# KiCad board hvd-68-vhdci-panel.kicad_pcb (continued)
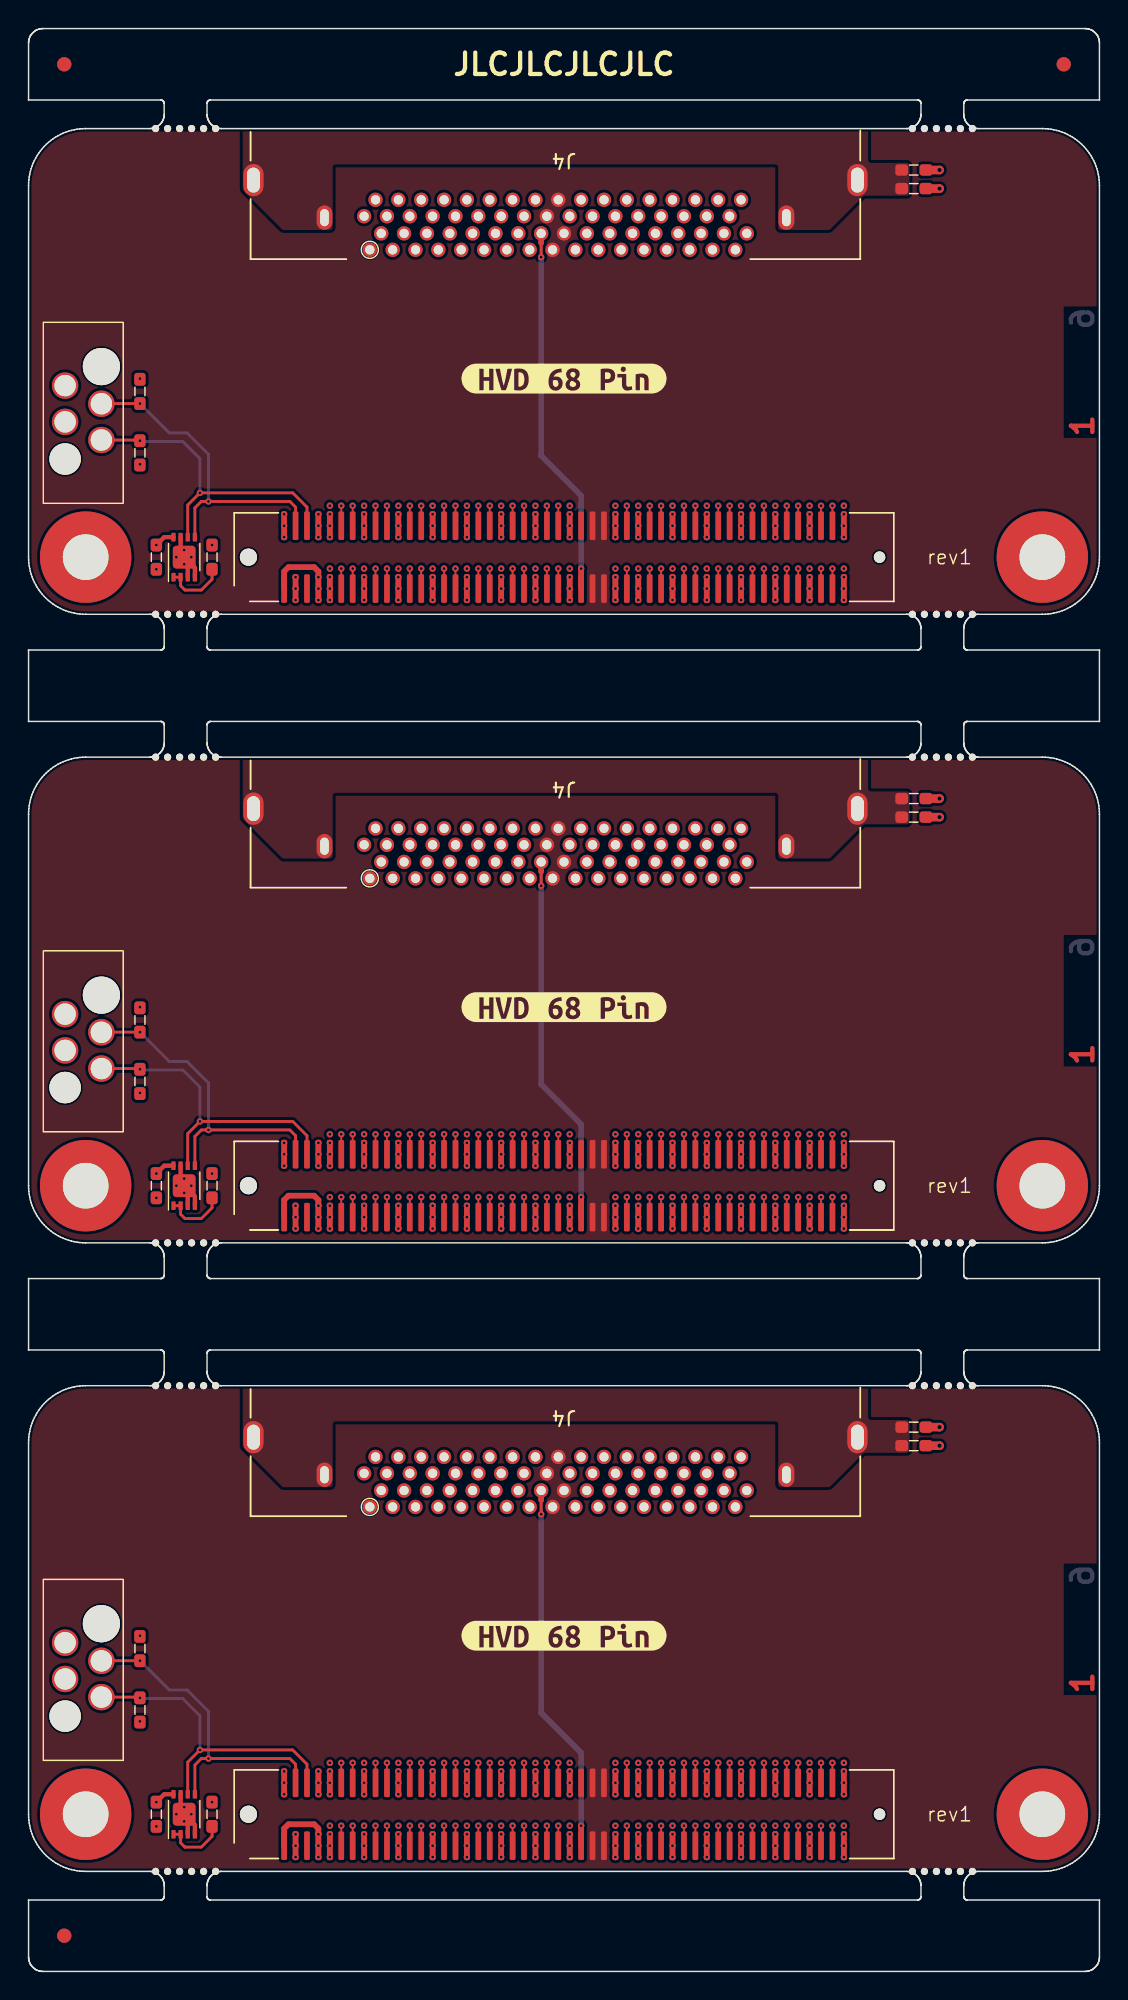
[diagram p0: board, top side]
## Routing (per net, layer and track width the routed paths; a pad name or vN(x,y) marks a point on that pad's centre or on a via; arc(x,y) is an arc through that point) (continued)
Board_0-/CON.ATN+: length 29.6
  Top w0.128: J1.61 v1(41.9,98.2)
  In3.Cu w0.128: v1(41.9,98.2) 41.6,98.5 41.6,102.9 38.9,105.6 38.9,110 arc(38.83,110.17) 38.66,110.24 38.65,110.24 arc(38.48,110.31) 38.41,110.48 38.41,110.6 arc(38.48,110.77) 38.65,110.84 38.66,110.84 arc(38.83,110.91) 38.9,111.08 38.9,111.2 arc(38.83,111.37) 38.66,111.44 38.65,111.44 arc(38.48,111.51) 38.41,111.68 38.41,111.8 arc(38.48,111.97) 38.65,112.04 38.66,112.04 arc(38.83,112.11) 38.9,112.28 38.9,112.4 arc(38.83,112.57) 38.66,112.64 38.65,112.64 arc(38.48,112.71) 38.41,112.88 38.41,113 arc(38.48,113.17) 38.65,113.24 38.66,113.24 arc(38.83,113.31) 38.9,113.48 38.9,113.6 arc(38.83,113.77) 38.66,113.84 38.65,113.84 arc(38.48,113.91) 38.41,114.08 38.41,114.2 arc(38.48,114.37) 38.65,114.44 38.66,114.44 arc(38.83,114.51) 38.9,114.68 38.9,114.8 arc(38.83,114.97) 38.66,115.04 38.65,115.04 arc(38.48,115.11) 38.41,115.28 38.41,115.4 arc(38.48,115.57) 38.65,115.64 38.66,115.64 arc(38.83,115.71) 38.9,115.88 38.9,116 arc(38.83,116.17) 38.66,116.24 38.65,116.24 arc(38.48,116.31) 38.41,116.48 38.41,116.6 arc(38.48,116.77) 38.65,116.84 38.66,116.84 arc(38.83,116.91) 38.9,117.08 38.9,120.1 39.1,120.3 J4#2.20
Board_0-/CON.ATN-: length 27
  Top w0.128: J1.62 v1(41.9,102.6)
  In2.Cu w0.128: J4#2.54 38.7,122.2 38.5,122 38.5,121.3 38.9,120.9 38.9,115.87 arc(38.83,115.7) 38.67,115.64 arc(38.5,115.57) 38.43,115.4 38.43,115.27 arc(38.5,115.1) 38.67,115.04 arc(38.83,114.97) 38.9,114.8 38.9,114.67 arc(38.83,114.5) 38.67,114.44 arc(38.5,114.37) 38.43,114.2 38.43,114.07 arc(38.5,113.9) 38.67,113.84 arc(38.83,113.77) 38.9,113.6 38.9,113.47 arc(38.83,113.3) 38.67,113.24 arc(38.5,113.17) 38.43,113 38.43,112.87 arc(38.5,112.7) 38.67,112.64 arc(38.83,112.57) 38.9,112.4 38.9,112.27 arc(38.83,112.1) 38.67,112.04 arc(38.5,111.97) 38.43,111.8 38.43,111.67 arc(38.5,111.5) 38.67,111.44 arc(38.83,111.37) 38.9,111.2 38.9,111.07 arc(38.83,110.9) 38.67,110.84 arc(38.5,110.77) 38.43,110.6 38.43,110.47 arc(38.5,110.3) 38.67,110.24 arc(38.83,110.17) 38.9,110 38.9,105.6 v1(41.9,102.6)
Board_0-/CON.BSY+: length 29.6
  Top w0.128: J1.65 v1(43.5,98.2)
  In3.Cu w0.128: J4#2.22 40.7,120.3 40.5,120.1 40.5,117.08 arc(40.43,116.91) 40.26,116.84 40.25,116.84 arc(40.08,116.77) 40.01,116.6 40.01,116.48 arc(40.08,116.31) 40.25,116.24 40.26,116.24 arc(40.43,116.17) 40.5,116 40.5,115.88 arc(40.43,115.71) 40.26,115.64 40.25,115.64 arc(40.08,115.57) 40.01,115.4 40.01,115.28 arc(40.08,115.11) 40.25,115.04 40.26,115.04 arc(40.43,114.97) 40.5,114.8 40.5,114.68 arc(40.43,114.51) 40.26,114.44 40.25,114.44 arc(40.08,114.37) 40.01,114.2 40.01,114.08 arc(40.08,113.91) 40.25,113.84 40.26,113.84 arc(40.43,113.77) 40.5,113.6 40.5,113.48 arc(40.43,113.31) 40.26,113.24 40.25,113.24 arc(40.08,113.17) 40.01,113 40.01,112.88 arc(40.08,112.71) 40.25,112.64 40.26,112.64 arc(40.43,112.57) 40.5,112.4 40.5,112.28 arc(40.43,112.11) 40.26,112.04 40.25,112.04 arc(40.08,111.97) 40.01,111.8 40.01,111.68 arc(40.08,111.51) 40.25,111.44 40.26,111.44 arc(40.43,111.37) 40.5,111.2 40.5,111.08 arc(40.43,110.91) 40.26,110.84 40.25,110.84 arc(40.08,110.77) 40.01,110.6 40.01,110.48 arc(40.08,110.31) 40.25,110.24 40.26,110.24 arc(40.43,110.17) 40.5,110 40.5,105.6 43.2,102.9 43.2,98.5 v1(43.5,98.2)
Board_0-/CON.BSY-: length 27
  Top w0.128: J1.66 v1(43.5,102.6)
  In2.Cu w0.128: J4#2.56 40.3,122.2 40.1,122 40.1,121.3 40.5,120.9 40.5,115.87 arc(40.43,115.7) 40.27,115.64 arc(40.1,115.57) 40.03,115.4 40.03,115.27 arc(40.1,115.1) 40.27,115.04 arc(40.43,114.97) 40.5,114.8 40.5,114.67 arc(40.43,114.5) 40.27,114.44 arc(40.1,114.37) 40.03,114.2 40.03,114.07 arc(40.1,113.9) 40.27,113.84 arc(40.43,113.77) 40.5,113.6 40.5,113.47 arc(40.43,113.3) 40.27,113.24 arc(40.1,113.17) 40.03,113 40.03,112.87 arc(40.1,112.7) 40.27,112.64 arc(40.43,112.57) 40.5,112.4 40.5,112.27 arc(40.43,112.1) 40.27,112.04 arc(40.1,111.97) 40.03,111.8 40.03,111.67 arc(40.1,111.5) 40.27,111.44 arc(40.43,111.37) 40.5,111.2 40.5,111.07 arc(40.43,110.9) 40.27,110.84 arc(40.1,110.77) 40.03,110.6 40.03,110.47 arc(40.1,110.3) 40.27,110.24 arc(40.43,110.17) 40.5,110 40.5,105.6 v1(43.5,102.6)
Board_0-/CON.C/D+: length 29.6
  Top w0.128: J1.79 v1(49.1,98.2)
  In3.Cu w0.128: v1(49.1,98.2) 48.7,98.6 48.7,103 44.1,107.6 44.1,110 arc(44.17,110.16) 44.32,110.22 arc(44.48,110.29) 44.55,110.45 44.55,110.6 arc(44.48,110.76) 44.32,110.82 arc(44.17,110.89) 44.1,111.05 44.1,111.2 arc(44.17,111.36) 44.32,111.42 arc(44.48,111.49) 44.55,111.65 44.55,111.8 arc(44.48,111.96) 44.32,112.02 arc(44.17,112.09) 44.1,112.25 44.1,112.4 arc(44.17,112.56) 44.32,112.62 arc(44.48,112.69) 44.55,112.85 44.55,113 arc(44.48,113.16) 44.32,113.22 arc(44.17,113.29) 44.1,113.45 44.1,113.6 arc(44.17,113.76) 44.32,113.82 arc(44.48,113.89) 44.55,114.05 44.55,114.2 arc(44.48,114.36) 44.32,114.42 arc(44.17,114.49) 44.1,114.65 44.1,114.8 arc(44.17,114.96) 44.32,115.02 arc(44.48,115.09) 44.55,115.25 44.55,115.4 arc(44.48,115.56) 44.32,115.62 arc(44.17,115.69) 44.1,115.85 44.1,116 arc(44.17,116.16) 44.32,116.22 arc(44.48,116.29) 44.55,116.45 44.55,116.6 arc(44.48,116.76) 44.32,116.82 arc(44.17,116.89) 44.1,117.05 44.1,117.2 arc(44.17,117.36) 44.32,117.42 arc(44.48,117.49) 44.55,117.65 44.55,117.8 arc(44.48,117.96) 44.32,118.02 arc(44.17,118.09) 44.1,118.25 44.1,119.92 J4#2.27
Board_0-/CON.C/D-: length 27
  Top w0.128: J1.80 v1(49.1,102.6)
  In2.Cu w0.128: v1(49.1,102.6) 44.1,107.6 44.1,110 arc(44.15,110.12) 44.27,110.17 arc(44.39,110.22) 44.44,110.35 44.44,110.6 arc(44.39,110.72) 44.27,110.77 arc(44.15,110.82) 44.1,110.95 44.1,111.2 arc(44.15,111.32) 44.27,111.37 arc(44.39,111.42) 44.44,111.55 44.44,111.8 arc(44.39,111.92) 44.27,111.97 arc(44.15,112.02) 44.1,112.15 44.1,112.4 arc(44.16,112.54) 44.3,112.6 arc(44.44,112.66) 44.49,112.8 44.49,113 arc(44.44,113.14) 44.3,113.2 arc(44.16,113.26) 44.1,113.4 44.1,113.6 arc(44.16,113.74) 44.3,113.8 arc(44.44,113.86) 44.49,114 44.49,114.2 arc(44.44,114.34) 44.3,114.4 arc(44.16,114.46) 44.1,114.6 44.1,114.8 arc(44.16,114.94) 44.3,115 arc(44.44,115.06) 44.49,115.2 44.49,115.4 arc(44.44,115.54) 44.3,115.6 arc(44.16,115.66) 44.1,115.8 44.1,116 arc(44.16,116.14) 44.3,116.2 arc(44.44,116.26) 44.49,116.4 44.49,116.6 arc(44.44,116.74) 44.3,116.8 arc(44.16,116.86) 44.1,117 44.1,117.2 arc(44.15,117.32) 44.27,117.37 arc(44.39,117.42) 44.44,117.55 44.44,117.8 arc(44.39,117.92) 44.27,117.97 arc(44.15,118.02) 44.1,118.15 44.1,120.9 44.5,121.3 44.5,122 44.3,122.2 J4#2.61
Board_0-/CON.DB0+: length 29.6
  Top w0.128: J1.25 v1(27.5,98.2)
  In3.Cu w0.128: J4#2.7 28.1,119.92 28.1,117.87 arc(28.17,117.71) 28.34,117.64 arc(28.5,117.57) 28.57,117.4 28.57,117.27 arc(28.5,117.11) 28.34,117.04 arc(28.17,116.97) 28.1,116.8 28.1,116.67 arc(28.17,116.51) 28.34,116.44 arc(28.5,116.37) 28.57,116.2 28.57,116.07 arc(28.5,115.91) 28.34,115.84 arc(28.17,115.77) 28.1,115.6 28.1,115.47 arc(28.17,115.31) 28.34,115.24 arc(28.5,115.17) 28.57,115 28.57,114.87 arc(28.5,114.71) 28.34,114.64 arc(28.17,114.57) 28.1,114.4 28.1,114.27 arc(28.17,114.11) 28.34,114.04 arc(28.5,113.97) 28.57,113.8 28.57,113.67 arc(28.5,113.51) 28.34,113.44 arc(28.17,113.37) 28.1,113.2 28.1,113.07 arc(28.17,112.91) 28.34,112.84 arc(28.5,112.77) 28.57,112.6 28.57,112.47 arc(28.5,112.31) 28.34,112.24 arc(28.17,112.17) 28.1,112 28.1,111.87 arc(28.17,111.71) 28.34,111.64 arc(28.5,111.57) 28.57,111.4 28.57,111.27 arc(28.5,111.11) 28.34,111.04 arc(28.17,110.97) 28.1,110.8 28.1,110.67 arc(28.17,110.51) 28.34,110.44 arc(28.5,110.37) 28.57,110.2 28.57,110.07 arc(28.5,109.91) 28.34,109.84 arc(28.17,109.77) 28.1,109.6 28.1,109.47 arc(28.17,109.31) 28.34,109.24 arc(28.5,109.17) 28.57,109 28.57,108.87 arc(28.5,108.71) 28.34,108.64 arc(28.17,108.57) 28.1,108.4 28.1,108.27 arc(28.17,108.11) 28.34,108.04 arc(28.5,107.97) 28.57,107.8 28.57,107.67 arc(28.5,107.51) 28.34,107.44 arc(28.17,107.37) 28.1,107.2 28.1,107.07 arc(28.17,106.91) 28.34,106.84 arc(28.5,106.77) 28.57,106.6 28.57,106.47 arc(28.5,106.31) 28.34,106.24 arc(28.17,106.17) 28.1,106 28.1,103.2 27.8,102.9 27.8,98.5 v1(27.5,98.2)
Board_0-/CON.DB0-: length 27
  Top w0.128: J1.26 v1(27.5,102.6)
  In2.Cu w0.128: v1(27.5,102.6) 28.1,103.2 28.1,106 arc(28.17,106.17) 28.34,106.24 28.34,106.24 arc(28.51,106.31) 28.58,106.48 28.58,106.6 arc(28.51,106.77) 28.34,106.84 28.34,106.84 arc(28.17,106.91) 28.1,107.08 28.1,107.2 arc(28.17,107.37) 28.34,107.44 28.34,107.44 arc(28.51,107.51) 28.58,107.68 28.58,107.8 arc(28.51,107.97) 28.34,108.04 28.34,108.04 arc(28.17,108.11) 28.1,108.28 28.1,108.4 arc(28.17,108.57) 28.34,108.64 28.34,108.64 arc(28.51,108.71) 28.58,108.88 28.58,109 arc(28.51,109.17) 28.34,109.24 28.34,109.24 arc(28.17,109.31) 28.1,109.48 28.1,109.6 arc(28.17,109.77) 28.34,109.84 28.34,109.84 arc(28.51,109.91) 28.58,110.08 28.58,110.2 arc(28.51,110.37) 28.34,110.44 28.34,110.44 arc(28.17,110.51) 28.1,110.68 28.1,110.8 arc(28.17,110.97) 28.34,111.04 28.34,111.04 arc(28.51,111.11) 28.58,111.28 28.58,111.4 arc(28.51,111.57) 28.34,111.64 28.34,111.64 arc(28.17,111.71) 28.1,111.88 28.1,112 arc(28.17,112.17) 28.34,112.24 28.34,112.24 arc(28.51,112.31) 28.58,112.48 28.58,112.6 arc(28.51,112.77) 28.34,112.84 28.34,112.84 arc(28.17,112.91) 28.1,113.08 28.1,113.2 arc(28.16,113.35) 28.31,113.41 arc(28.46,113.47) 28.52,113.62 28.52,113.8 arc(28.46,113.95) 28.31,114.01 arc(28.16,114.07) 28.1,114.22 28.1,114.4 arc(28.16,114.55) 28.31,114.61 arc(28.46,114.67) 28.52,114.82 28.52,115 arc(28.46,115.15) 28.31,115.21 arc(28.16,115.27) 28.1,115.42 28.1,115.6 arc(28.17,115.77) 28.34,115.84 28.34,115.84 arc(28.51,115.91) 28.58,116.08 28.58,116.2 arc(28.51,116.37) 28.34,116.44 28.34,116.44 arc(28.17,116.51) 28.1,116.68 28.1,120.9 28.5,121.3 28.5,122 28.3,122.2 J4#2.41
Board_0-/CON.DB1+: length 29.6
  Top w0.128: J1.29 v1(29.1,98.2)
  In3.Cu w0.128: J4#2.8 29.5,120.3 29.3,120.1 29.3,116.62 arc(29.24,116.47) 29.09,116.41 arc(28.94,116.35) 28.88,116.2 28.88,116.02 arc(28.94,115.87) 29.09,115.81 arc(29.24,115.75) 29.3,115.6 29.3,115.42 arc(29.24,115.27) 29.09,115.21 arc(28.94,115.15) 28.88,115 28.88,114.82 arc(28.94,114.67) 29.09,114.61 arc(29.24,114.55) 29.3,114.4 29.3,114.22 arc(29.24,114.07) 29.09,114.01 arc(28.94,113.95) 28.88,113.8 28.88,113.62 arc(28.94,113.47) 29.09,113.41 arc(29.24,113.35) 29.3,113.2 29.3,113.02 arc(29.24,112.87) 29.09,112.81 arc(28.94,112.75) 28.88,112.6 28.88,112.42 arc(28.94,112.27) 29.09,112.21 arc(29.24,112.15) 29.3,112 29.3,111.82 arc(29.24,111.67) 29.09,111.61 arc(28.94,111.55) 28.88,111.4 28.88,111.22 arc(28.94,111.07) 29.09,111.01 arc(29.24,110.95) 29.3,110.8 29.3,110.62 arc(29.24,110.47) 29.09,110.41 arc(28.94,110.35) 28.88,110.2 28.88,110.02 arc(28.94,109.87) 29.09,109.81 arc(29.24,109.75) 29.3,109.6 29.3,109.42 arc(29.24,109.27) 29.09,109.21 arc(28.94,109.15) 28.88,109 28.88,108.82 arc(28.94,108.67) 29.09,108.61 arc(29.24,108.55) 29.3,108.4 29.3,108.22 arc(29.24,108.07) 29.09,108.01 arc(28.94,107.95) 28.88,107.8 28.88,107.62 arc(28.94,107.47) 29.09,107.41 arc(29.24,107.35) 29.3,107.2 29.3,107.02 arc(29.24,106.87) 29.09,106.81 arc(28.94,106.75) 28.88,106.6 28.88,106.42 arc(28.94,106.27) 29.09,106.21 arc(29.24,106.15) 29.3,106 29.3,103.25 28.8,102.75 28.8,98.5 v1(29.1,98.2)
Board_0-/CON.DB1-: length 27
  Top w0.128: J1.30 v1(29.1,102.6)
  In2.Cu w0.128: J4#2.42 29.1,122.2 28.9,122 28.9,121.3 29.3,120.9 29.3,115.47 arc(29.23,115.3) 29.07,115.24 arc(28.9,115.17) 28.83,115 28.83,114.87 arc(28.9,114.7) 29.07,114.64 arc(29.23,114.57) 29.3,114.4 29.3,114.27 arc(29.23,114.1) 29.07,114.04 arc(28.9,113.97) 28.83,113.8 28.83,113.67 arc(28.9,113.5) 29.07,113.44 arc(29.23,113.37) 29.3,113.2 29.3,113 arc(29.24,112.86) 29.1,112.8 arc(28.96,112.74) 28.9,112.6 28.9,112.4 arc(28.96,112.26) 29.1,112.2 arc(29.24,112.14) 29.3,112 29.3,111.8 arc(29.24,111.66) 29.1,111.6 arc(28.96,111.54) 28.9,111.4 28.9,111.2 arc(28.96,111.06) 29.1,111 arc(29.24,110.94) 29.3,110.8 29.3,110.6 arc(29.24,110.46) 29.1,110.4 arc(28.96,110.34) 28.9,110.2 28.9,110 arc(28.96,109.86) 29.1,109.8 arc(29.24,109.74) 29.3,109.6 29.3,109.4 arc(29.24,109.26) 29.1,109.2 arc(28.96,109.14) 28.9,109 28.9,108.8 arc(28.96,108.66) 29.1,108.6 arc(29.24,108.54) 29.3,108.4 29.3,108.2 arc(29.24,108.06) 29.1,108 arc(28.96,107.94) 28.9,107.8 28.9,107.6 arc(28.96,107.46) 29.1,107.4 arc(29.24,107.34) 29.3,107.2 29.3,107 arc(29.24,106.86) 29.1,106.8 arc(28.96,106.74) 28.9,106.6 28.9,106.4 arc(28.96,106.26) 29.1,106.2 arc(29.24,106.14) 29.3,106 29.3,102.8 v1(29.1,102.6)
Board_0-/CON.DB2+: length 29.6
  Top w0.128: J1.31 v1(29.9,98.2)
  In3.Cu w0.128: v1(29.9,98.2) 30.2,98.5 30.2,102.75 29.7,103.25 29.7,106 arc(29.76,106.15) 29.91,106.21 arc(30.06,106.27) 30.12,106.42 30.12,106.6 arc(30.06,106.75) 29.91,106.81 arc(29.76,106.87) 29.7,107.02 29.7,107.2 arc(29.76,107.35) 29.91,107.41 arc(30.06,107.47) 30.12,107.62 30.12,107.8 arc(30.06,107.95) 29.91,108.01 arc(29.76,108.07) 29.7,108.22 29.7,108.4 arc(29.76,108.55) 29.91,108.61 arc(30.06,108.67) 30.12,108.82 30.12,109 arc(30.06,109.15) 29.91,109.21 arc(29.76,109.27) 29.7,109.42 29.7,109.6 arc(29.77,109.77) 29.94,109.84 29.94,109.84 arc(30.11,109.91) 30.18,110.08 30.18,110.2 arc(30.11,110.37) 29.94,110.44 29.94,110.44 arc(29.77,110.51) 29.7,110.68 29.7,110.8 arc(29.77,110.97) 29.94,111.04 29.94,111.04 arc(30.11,111.11) 30.18,111.28 30.18,111.4 arc(30.11,111.57) 29.94,111.64 29.94,111.64 arc(29.77,111.71) 29.7,111.88 29.7,112 arc(29.77,112.17) 29.94,112.24 29.94,112.24 arc(30.11,112.31) 30.18,112.48 30.18,112.6 arc(30.11,112.77) 29.94,112.84 29.94,112.84 arc(29.77,112.91) 29.7,113.08 29.7,113.2 arc(29.77,113.37) 29.94,113.44 29.94,113.44 arc(30.11,113.51) 30.18,113.68 30.18,113.8 arc(30.11,113.97) 29.94,114.04 29.94,114.04 arc(29.77,114.11) 29.7,114.28 29.7,114.4 arc(29.77,114.57) 29.94,114.64 29.94,114.64 arc(30.11,114.71) 30.18,114.88 30.18,115 arc(30.11,115.17) 29.94,115.24 29.94,115.24 arc(29.77,115.31) 29.7,115.48 29.7,115.6 arc(29.77,115.77) 29.94,115.84 29.94,115.84 arc(30.11,115.91) 30.18,116.08 30.18,116.2 arc(30.11,116.37) 29.94,116.44 29.94,116.44 arc(29.77,116.51) 29.7,116.68 29.7,116.8 arc(29.77,116.97) 29.94,117.04 29.94,117.04 arc(30.11,117.11) 30.18,117.28 30.18,117.4 arc(30.11,117.57) 29.94,117.64 29.94,117.64 arc(29.77,117.71) 29.7,117.88 29.7,119.92 J4#2.9
Board_0-/CON.DB2-: length 27
  Top w0.128: J1.32 v1(29.9,102.6)
  In2.Cu w0.128: J4#2.43 29.9,122.2 30.1,122 30.1,121.3 29.7,120.9 29.7,117.88 arc(29.77,117.71) 29.94,117.64 arc(30.11,117.57) 30.18,117.4 30.18,117.28 arc(30.11,117.11) 29.94,117.04 arc(29.77,116.97) 29.7,116.8 29.7,116.68 arc(29.77,116.51) 29.94,116.44 arc(30.11,116.37) 30.18,116.2 30.18,116.08 arc(30.11,115.91) 29.94,115.84 arc(29.77,115.77) 29.7,115.6 29.7,115.48 arc(29.77,115.31) 29.94,115.24 arc(30.11,115.17) 30.18,115 30.18,114.88 arc(30.11,114.71) 29.94,114.64 arc(29.77,114.57) 29.7,114.4 29.7,114.22 arc(29.76,114.07) 29.91,114.01 arc(30.05,113.95) 30.12,113.8 30.12,113.62 arc(30.05,113.47) 29.91,113.41 arc(29.76,113.35) 29.7,113.2 29.7,113.02 arc(29.76,112.87) 29.91,112.81 arc(30.05,112.75) 30.12,112.6 30.12,112.42 arc(30.05,112.27) 29.91,112.21 arc(29.76,112.15) 29.7,112 29.7,111.82 arc(29.76,111.67) 29.91,111.61 arc(30.05,111.55) 30.12,111.4 30.12,111.22 arc(30.05,111.07) 29.91,111.01 arc(29.76,110.95) 29.7,110.8 29.7,110.62 arc(29.76,110.47) 29.91,110.41 arc(30.05,110.35) 30.12,110.2 30.12,110.02 arc(30.05,109.87) 29.91,109.81 arc(29.76,109.75) 29.7,109.6 29.7,109.42 arc(29.76,109.27) 29.91,109.21 arc(30.05,109.15) 30.12,109 30.12,108.82 arc(30.05,108.67) 29.91,108.61 arc(29.76,108.55) 29.7,108.4 29.7,108.22 arc(29.76,108.07) 29.91,108.01 arc(30.05,107.95) 30.12,107.8 30.12,107.62 arc(30.05,107.47) 29.91,107.41 arc(29.76,107.35) 29.7,107.2 29.7,107.02 arc(29.76,106.87) 29.91,106.81 arc(30.05,106.75) 30.12,106.6 30.12,106.42 arc(30.05,106.27) 29.91,106.21 arc(29.76,106.15) 29.7,106 29.7,102.8 v1(29.9,102.6)
Board_0-/CON.DB3+: length 29.6
  Top w0.128: J1.35 v1(31.5,98.2)
  In3.Cu w0.128: J4#2.10 31.1,120.3 30.9,120.1 30.9,116.61 arc(30.84,116.46) 30.7,116.41 arc(30.55,116.35) 30.49,116.2 30.49,116.01 arc(30.55,115.86) 30.7,115.81 arc(30.84,115.75) 30.9,115.6 30.9,115.41 arc(30.84,115.26) 30.7,115.21 arc(30.55,115.15) 30.49,115 30.49,114.81 arc(30.55,114.66) 30.7,114.61 arc(30.84,114.55) 30.9,114.4 30.9,114.21 arc(30.84,114.06) 30.7,114.01 arc(30.55,113.95) 30.49,113.8 30.49,113.61 arc(30.55,113.46) 30.7,113.41 arc(30.84,113.35) 30.9,113.2 30.9,113.01 arc(30.84,112.86) 30.7,112.81 arc(30.55,112.75) 30.49,112.6 30.49,112.41 arc(30.55,112.26) 30.7,112.21 arc(30.84,112.15) 30.9,112 30.9,111.81 arc(30.84,111.66) 30.7,111.61 arc(30.55,111.55) 30.49,111.4 30.49,111.21 arc(30.55,111.06) 30.7,111.01 arc(30.84,110.95) 30.9,110.8 30.9,110.61 arc(30.84,110.46) 30.7,110.41 arc(30.55,110.35) 30.49,110.2 30.49,110.01 arc(30.55,109.86) 30.7,109.81 arc(30.84,109.75) 30.9,109.6 30.9,109.47 arc(30.83,109.31) 30.66,109.24 arc(30.5,109.17) 30.43,109 30.43,108.87 arc(30.5,108.71) 30.66,108.64 arc(30.83,108.57) 30.9,108.4 30.9,108.27 arc(30.83,108.11) 30.66,108.04 arc(30.5,107.97) 30.43,107.8 30.43,107.67 arc(30.5,107.51) 30.66,107.44 arc(30.83,107.37) 30.9,107.2 30.9,107.07 arc(30.83,106.91) 30.66,106.84 arc(30.5,106.77) 30.43,106.6 30.43,106.47 arc(30.5,106.31) 30.66,106.24 arc(30.83,106.17) 30.9,106 30.9,103.2 31.2,102.9 31.2,98.5 v1(31.5,98.2)
Board_0-/CON.DB3-: length 27
  Top w0.128: J1.36 v1(31.5,102.6)
  In2.Cu w0.128: v1(31.5,102.6) 30.9,103.2 30.9,106 arc(30.83,106.16) 30.67,106.23 arc(30.51,106.3) 30.44,106.46 30.44,106.6 arc(30.51,106.76) 30.67,106.83 arc(30.83,106.9) 30.9,107.06 30.9,107.2 arc(30.83,107.36) 30.67,107.43 arc(30.51,107.5) 30.44,107.66 30.44,107.8 arc(30.51,107.96) 30.67,108.03 arc(30.83,108.1) 30.9,108.26 30.9,108.4 arc(30.83,108.56) 30.67,108.63 arc(30.51,108.7) 30.44,108.86 30.44,109 arc(30.51,109.16) 30.67,109.23 arc(30.83,109.3) 30.9,109.46 30.9,109.6 arc(30.83,109.76) 30.67,109.83 arc(30.51,109.9) 30.44,110.06 30.44,110.2 arc(30.51,110.36) 30.67,110.43 arc(30.83,110.5) 30.9,110.66 30.9,110.8 arc(30.83,110.96) 30.67,111.03 arc(30.51,111.1) 30.44,111.26 30.44,111.4 arc(30.51,111.56) 30.67,111.63 arc(30.83,111.7) 30.9,111.86 30.9,112 arc(30.83,112.16) 30.67,112.23 arc(30.51,112.3) 30.44,112.46 30.44,112.6 arc(30.51,112.76) 30.67,112.83 arc(30.83,112.9) 30.9,113.06 30.9,113.2 arc(30.83,113.36) 30.67,113.43 arc(30.51,113.5) 30.44,113.66 30.44,113.8 arc(30.51,113.96) 30.67,114.03 arc(30.83,114.1) 30.9,114.26 30.9,120.9 30.5,121.3 30.5,122 30.7,122.2 J4#2.44
Board_0-/CON.DB4+: length 29.6
  Top w0.128: J1.37 v1(32.3,98.2)
  In3.Cu w0.128: v1(32.3,98.2) 31.9,98.6 31.9,103 31.3,103.6 31.3,106 arc(31.37,106.17) 31.54,106.24 31.56,106.24 arc(31.73,106.31) 31.8,106.48 31.8,106.6 arc(31.73,106.77) 31.56,106.84 31.54,106.84 arc(31.37,106.91) 31.3,107.08 31.3,107.2 arc(31.37,107.37) 31.54,107.44 31.56,107.44 arc(31.73,107.51) 31.8,107.68 31.8,107.8 arc(31.73,107.97) 31.56,108.04 31.54,108.04 arc(31.37,108.11) 31.3,108.28 31.3,108.4 arc(31.37,108.57) 31.54,108.64 31.56,108.64 arc(31.73,108.71) 31.8,108.88 31.8,109 arc(31.73,109.17) 31.56,109.24 31.54,109.24 arc(31.37,109.31) 31.3,109.48 31.3,109.6 arc(31.37,109.77) 31.54,109.84 31.56,109.84 arc(31.73,109.91) 31.8,110.08 31.8,110.2 arc(31.73,110.37) 31.56,110.44 31.54,110.44 arc(31.37,110.51) 31.3,110.68 31.3,110.8 arc(31.37,110.97) 31.54,111.04 31.56,111.04 arc(31.73,111.11) 31.8,111.28 31.8,111.4 arc(31.73,111.57) 31.56,111.64 31.54,111.64 arc(31.37,111.71) 31.3,111.88 31.3,112 arc(31.37,112.17) 31.54,112.24 31.56,112.24 arc(31.73,112.31) 31.8,112.48 31.8,112.6 arc(31.73,112.77) 31.56,112.84 31.54,112.84 arc(31.37,112.91) 31.3,113.08 31.3,113.2 arc(31.37,113.37) 31.54,113.44 31.56,113.44 arc(31.73,113.51) 31.8,113.68 31.8,113.8 arc(31.73,113.97) 31.56,114.04 31.54,114.04 arc(31.37,114.11) 31.3,114.28 31.3,114.4 arc(31.37,114.57) 31.54,114.64 31.56,114.64 arc(31.73,114.71) 31.8,114.88 31.8,115 arc(31.73,115.17) 31.56,115.24 31.54,115.24 arc(31.37,115.31) 31.3,115.48 31.3,115.6 arc(31.37,115.77) 31.54,115.84 31.56,115.84 arc(31.73,115.91) 31.8,116.08 31.8,116.2 arc(31.73,116.37) 31.56,116.44 31.54,116.44 arc(31.37,116.51) 31.3,116.68 31.3,119.92 J4#2.11
Board_0-/CON.DB4-: length 27
  Top w0.128: J1.38 v1(32.3,102.6)
  In2.Cu w0.128: J4#2.45 31.5,122.2 31.7,122 31.7,121.3 31.3,120.9 31.3,117.77 arc(31.35,117.64) 31.48,117.59 arc(31.61,117.53) 31.67,117.4 31.67,117.17 arc(31.61,117.04) 31.48,116.99 arc(31.35,116.93) 31.3,116.8 31.3,116.62 arc(31.36,116.47) 31.51,116.41 arc(31.66,116.35) 31.72,116.2 31.72,116.02 arc(31.66,115.87) 31.51,115.81 arc(31.36,115.75) 31.3,115.6 31.3,115.42 arc(31.36,115.27) 31.51,115.21 arc(31.66,115.15) 31.72,115 31.72,114.82 arc(31.66,114.67) 31.51,114.61 arc(31.36,114.55) 31.3,114.4 31.3,114.17 arc(31.35,114.04) 31.48,113.99 arc(31.61,113.93) 31.67,113.8 31.67,113.57 arc(31.61,113.44) 31.48,113.39 arc(31.35,113.33) 31.3,113.2 31.3,113.02 arc(31.36,112.87) 31.51,112.81 arc(31.66,112.75) 31.72,112.6 31.72,112.42 arc(31.66,112.27) 31.51,112.21 arc(31.36,112.15) 31.3,112 31.3,111.82 arc(31.36,111.67) 31.51,111.61 arc(31.66,111.55) 31.72,111.4 31.72,111.22 arc(31.66,111.07) 31.51,111.01 arc(31.36,110.95) 31.3,110.8 31.3,110.62 arc(31.36,110.47) 31.51,110.41 arc(31.66,110.35) 31.72,110.2 31.72,110.02 arc(31.66,109.87) 31.51,109.81 arc(31.36,109.75) 31.3,109.6 31.3,109.42 arc(31.36,109.27) 31.51,109.21 arc(31.66,109.15) 31.72,109 31.72,108.82 arc(31.66,108.67) 31.51,108.61 arc(31.36,108.55) 31.3,108.4 31.3,108.22 arc(31.36,108.07) 31.51,108.01 arc(31.66,107.95) 31.72,107.8 31.72,107.62 arc(31.66,107.47) 31.51,107.41 arc(31.36,107.35) 31.3,107.2 31.3,107.02 arc(31.36,106.87) 31.51,106.81 arc(31.66,106.75) 31.72,106.6 31.72,106.42 arc(31.66,106.27) 31.51,106.21 arc(31.36,106.15) 31.3,106 31.3,103.6 v1(32.3,102.6)
Board_0-/CON.DB5+: length 29.6
  Top w0.128: J1.41 v1(33.9,98.2)
  In3.Cu w0.128: v1(33.9,98.2) 33.6,98.5 33.6,102.9 32.5,104 32.5,106 arc(32.43,106.16) 32.28,106.22 arc(32.12,106.29) 32.05,106.45 32.05,106.6 arc(32.12,106.76) 32.28,106.82 arc(32.43,106.89) 32.5,107.05 32.5,107.2 arc(32.43,107.36) 32.28,107.42 arc(32.12,107.49) 32.05,107.65 32.05,107.8 arc(32.12,107.96) 32.28,108.02 arc(32.43,108.09) 32.5,108.25 32.5,108.4 arc(32.43,108.56) 32.28,108.62 arc(32.12,108.69) 32.05,108.85 32.05,109 arc(32.12,109.16) 32.28,109.22 arc(32.43,109.29) 32.5,109.45 32.5,109.6 arc(32.43,109.76) 32.28,109.82 arc(32.12,109.89) 32.05,110.05 32.05,110.2 arc(32.12,110.36) 32.28,110.42 arc(32.43,110.49) 32.5,110.65 32.5,110.8 arc(32.43,110.96) 32.28,111.02 arc(32.12,111.09) 32.05,111.25 32.05,111.4 arc(32.12,111.56) 32.28,111.62 arc(32.43,111.69) 32.5,111.85 32.5,112 arc(32.43,112.16) 32.28,112.22 arc(32.12,112.29) 32.05,112.45 32.05,112.6 arc(32.12,112.76) 32.28,112.82 arc(32.43,112.89) 32.5,113.05 32.5,113.2 arc(32.43,113.36) 32.28,113.42 arc(32.12,113.49) 32.05,113.65 32.05,113.8 arc(32.12,113.96) 32.28,114.02 arc(32.43,114.09) 32.5,114.25 32.5,114.4 arc(32.43,114.56) 32.28,114.62 arc(32.12,114.69) 32.05,114.85 32.05,115 arc(32.12,115.16) 32.28,115.22 arc(32.43,115.29) 32.5,115.45 32.5,120.1 32.7,120.3 J4#2.12
Board_0-/CON.DB5-: length 27
  Top w0.128: J1.42 v1(33.9,102.6)
  In2.Cu w0.128: J4#2.46 32.3,122.2 32.1,122 32.1,121.3 32.5,120.9 32.5,113.08 arc(32.43,112.91) 32.26,112.84 32.26,112.84 arc(32.09,112.77) 32.02,112.6 32.02,112.48 arc(32.09,112.31) 32.26,112.24 32.26,112.24 arc(32.43,112.17) 32.5,112 32.5,111.88 arc(32.43,111.71) 32.26,111.64 32.26,111.64 arc(32.09,111.57) 32.02,111.4 32.02,111.28 arc(32.09,111.11) 32.26,111.04 32.26,111.04 arc(32.43,110.97) 32.5,110.8 32.5,110.68 arc(32.43,110.51) 32.26,110.44 32.26,110.44 arc(32.09,110.37) 32.02,110.2 32.02,110.08 arc(32.09,109.91) 32.26,109.84 32.26,109.84 arc(32.43,109.77) 32.5,109.6 32.5,109.48 arc(32.43,109.31) 32.26,109.24 32.26,109.24 arc(32.09,109.17) 32.02,109 32.02,108.88 arc(32.09,108.71) 32.26,108.64 32.26,108.64 arc(32.43,108.57) 32.5,108.4 32.5,108.28 arc(32.43,108.11) 32.26,108.04 32.26,108.04 arc(32.09,107.97) 32.02,107.8 32.02,107.68 arc(32.09,107.51) 32.26,107.44 32.26,107.44 arc(32.43,107.37) 32.5,107.2 32.5,107.08 arc(32.43,106.91) 32.26,106.84 32.26,106.84 arc(32.09,106.77) 32.02,106.6 32.02,106.48 arc(32.09,106.31) 32.26,106.24 32.26,106.24 arc(32.43,106.17) 32.5,106 32.5,104 v1(33.9,102.6)
Board_0-/CON.DB6+: length 29.6
  Top w0.128: J1.43 v1(34.7,98.2)
  In3.Cu w0.128: J4#2.13 32.9,119.92 32.9,116.68 arc(32.97,116.51) 33.14,116.44 arc(33.31,116.37) 33.38,116.2 33.38,116.08 arc(33.31,115.91) 33.14,115.84 arc(32.97,115.77) 32.9,115.6 32.9,115.48 arc(32.97,115.31) 33.14,115.24 arc(33.31,115.17) 33.38,115 33.38,114.88 arc(33.31,114.71) 33.14,114.64 arc(32.97,114.57) 32.9,114.4 32.9,114.28 arc(32.97,114.11) 33.14,114.04 arc(33.31,113.97) 33.38,113.8 33.38,113.68 arc(33.31,113.51) 33.14,113.44 arc(32.97,113.37) 32.9,113.2 32.9,113.08 arc(32.97,112.91) 33.14,112.84 arc(33.31,112.77) 33.38,112.6 33.38,112.48 arc(33.31,112.31) 33.14,112.24 arc(32.97,112.17) 32.9,112 32.9,111.88 arc(32.97,111.71) 33.14,111.64 arc(33.31,111.57) 33.38,111.4 33.38,111.28 arc(33.31,111.11) 33.14,111.04 arc(32.97,110.97) 32.9,110.8 32.9,110.68 arc(32.97,110.51) 33.14,110.44 arc(33.31,110.37) 33.38,110.2 33.38,110.08 arc(33.31,109.91) 33.14,109.84 arc(32.97,109.77) 32.9,109.6 32.9,109.48 arc(32.97,109.31) 33.14,109.24 arc(33.31,109.17) 33.38,109 33.38,108.88 arc(33.31,108.71) 33.14,108.64 arc(32.97,108.57) 32.9,108.4 32.9,108.28 arc(32.97,108.11) 33.14,108.04 arc(33.31,107.97) 33.38,107.8 33.38,107.68 arc(33.31,107.51) 33.14,107.44 arc(32.97,107.37) 32.9,107.2 32.9,107.08 arc(32.97,106.91) 33.14,106.84 arc(33.31,106.77) 33.38,106.6 33.38,106.48 arc(33.31,106.31) 33.14,106.24 arc(32.97,106.17) 32.9,106 32.9,104.4 34.3,103 34.3,98.6 v1(34.7,98.2)
Board_0-/CON.DB6-: length 27
  Top w0.128: J1.44 v1(34.7,102.6)
  In2.Cu w0.128: v1(34.7,102.6) 32.9,104.4 32.9,106 arc(32.96,106.15) 33.11,106.21 arc(33.26,106.28) 33.32,106.43 33.32,106.6 arc(33.26,106.75) 33.11,106.81 arc(32.96,106.88) 32.9,107.03 32.9,107.2 arc(32.96,107.35) 33.11,107.41 arc(33.26,107.48) 33.32,107.63 33.32,107.8 arc(33.26,107.95) 33.11,108.01 arc(32.96,108.08) 32.9,108.23 32.9,108.4 arc(32.96,108.55) 33.11,108.61 arc(33.26,108.68) 33.32,108.83 33.32,109 arc(33.26,109.15) 33.11,109.21 arc(32.96,109.28) 32.9,109.43 32.9,109.6 arc(32.96,109.75) 33.11,109.81 arc(33.26,109.88) 33.32,110.03 33.32,110.2 arc(33.26,110.35) 33.11,110.41 arc(32.96,110.48) 32.9,110.63 32.9,110.8 arc(32.96,110.95) 33.11,111.01 arc(33.26,111.08) 33.32,111.23 33.32,111.4 arc(33.26,111.55) 33.11,111.61 arc(32.96,111.68) 32.9,111.83 32.9,112 arc(32.96,112.15) 33.11,112.21 arc(33.26,112.28) 33.32,112.43 33.32,112.6 arc(33.26,112.75) 33.11,112.81 arc(32.96,112.88) 32.9,113.03 32.9,113.2 arc(32.96,113.35) 33.11,113.41 arc(33.26,113.48) 33.32,113.63 33.32,113.8 arc(33.26,113.95) 33.11,114.01 arc(32.96,114.08) 32.9,114.23 32.9,114.4 arc(32.96,114.55) 33.11,114.61 arc(33.26,114.68) 33.32,114.83 33.32,115 arc(33.26,115.15) 33.11,115.21 arc(32.96,115.28) 32.9,115.43 32.9,115.6 arc(32.95,115.73) 33.09,115.79 arc(33.22,115.84) 33.27,115.98 33.27,116.2 arc(33.22,116.33) 33.09,116.39 arc(32.95,116.44) 32.9,116.58 32.9,120.9 33.3,121.3 33.3,122 33.1,122.2 J4#2.47
Board_0-/CON.DB7+: length 29.6
  Top w0.128: J1.47 v1(36.3,98.2)
  In3.Cu w0.128: J4#2.14 34.3,120.3 34.1,120.1 34.1,115.41 arc(34.04,115.27) 33.9,115.21 arc(33.75,115.15) 33.69,115 33.69,114.81 arc(33.75,114.67) 33.9,114.61 arc(34.04,114.55) 34.1,114.4 34.1,114.21 arc(34.04,114.07) 33.9,114.01 arc(33.75,113.95) 33.69,113.8 33.69,113.61 arc(33.75,113.47) 33.9,113.41 arc(34.04,113.35) 34.1,113.2 34.1,113.01 arc(34.04,112.87) 33.9,112.81 arc(33.75,112.75) 33.69,112.6 33.69,112.41 arc(33.75,112.27) 33.9,112.21 arc(34.04,112.15) 34.1,112 34.1,111.81 arc(34.04,111.67) 33.9,111.61 arc(33.75,111.55) 33.69,111.4 33.69,111.21 arc(33.75,111.07) 33.9,111.01 arc(34.04,110.95) 34.1,110.8 34.1,110.61 arc(34.04,110.47) 33.9,110.41 arc(33.75,110.35) 33.69,110.2 33.69,110.01 arc(33.75,109.87) 33.9,109.81 arc(34.04,109.75) 34.1,109.6 34.1,109.41 arc(34.04,109.27) 33.9,109.21 arc(33.75,109.15) 33.69,109 33.69,108.81 arc(33.75,108.67) 33.9,108.61 arc(34.04,108.55) 34.1,108.4 34.1,108.21 arc(34.04,108.07) 33.9,108.01 arc(33.75,107.95) 33.69,107.8 33.69,107.61 arc(33.75,107.47) 33.9,107.41 arc(34.04,107.35) 34.1,107.2 34.1,107.01 arc(34.04,106.87) 33.9,106.81 arc(33.75,106.75) 33.69,106.6 33.69,106.41 arc(33.75,106.27) 33.9,106.21 arc(34.04,106.15) 34.1,106 34.1,104.8 36,102.9 36,98.5 v1(36.3,98.2)
